# Altium PCB DCDCv1.1.PcbDoc (part 2 of 5) (continued)
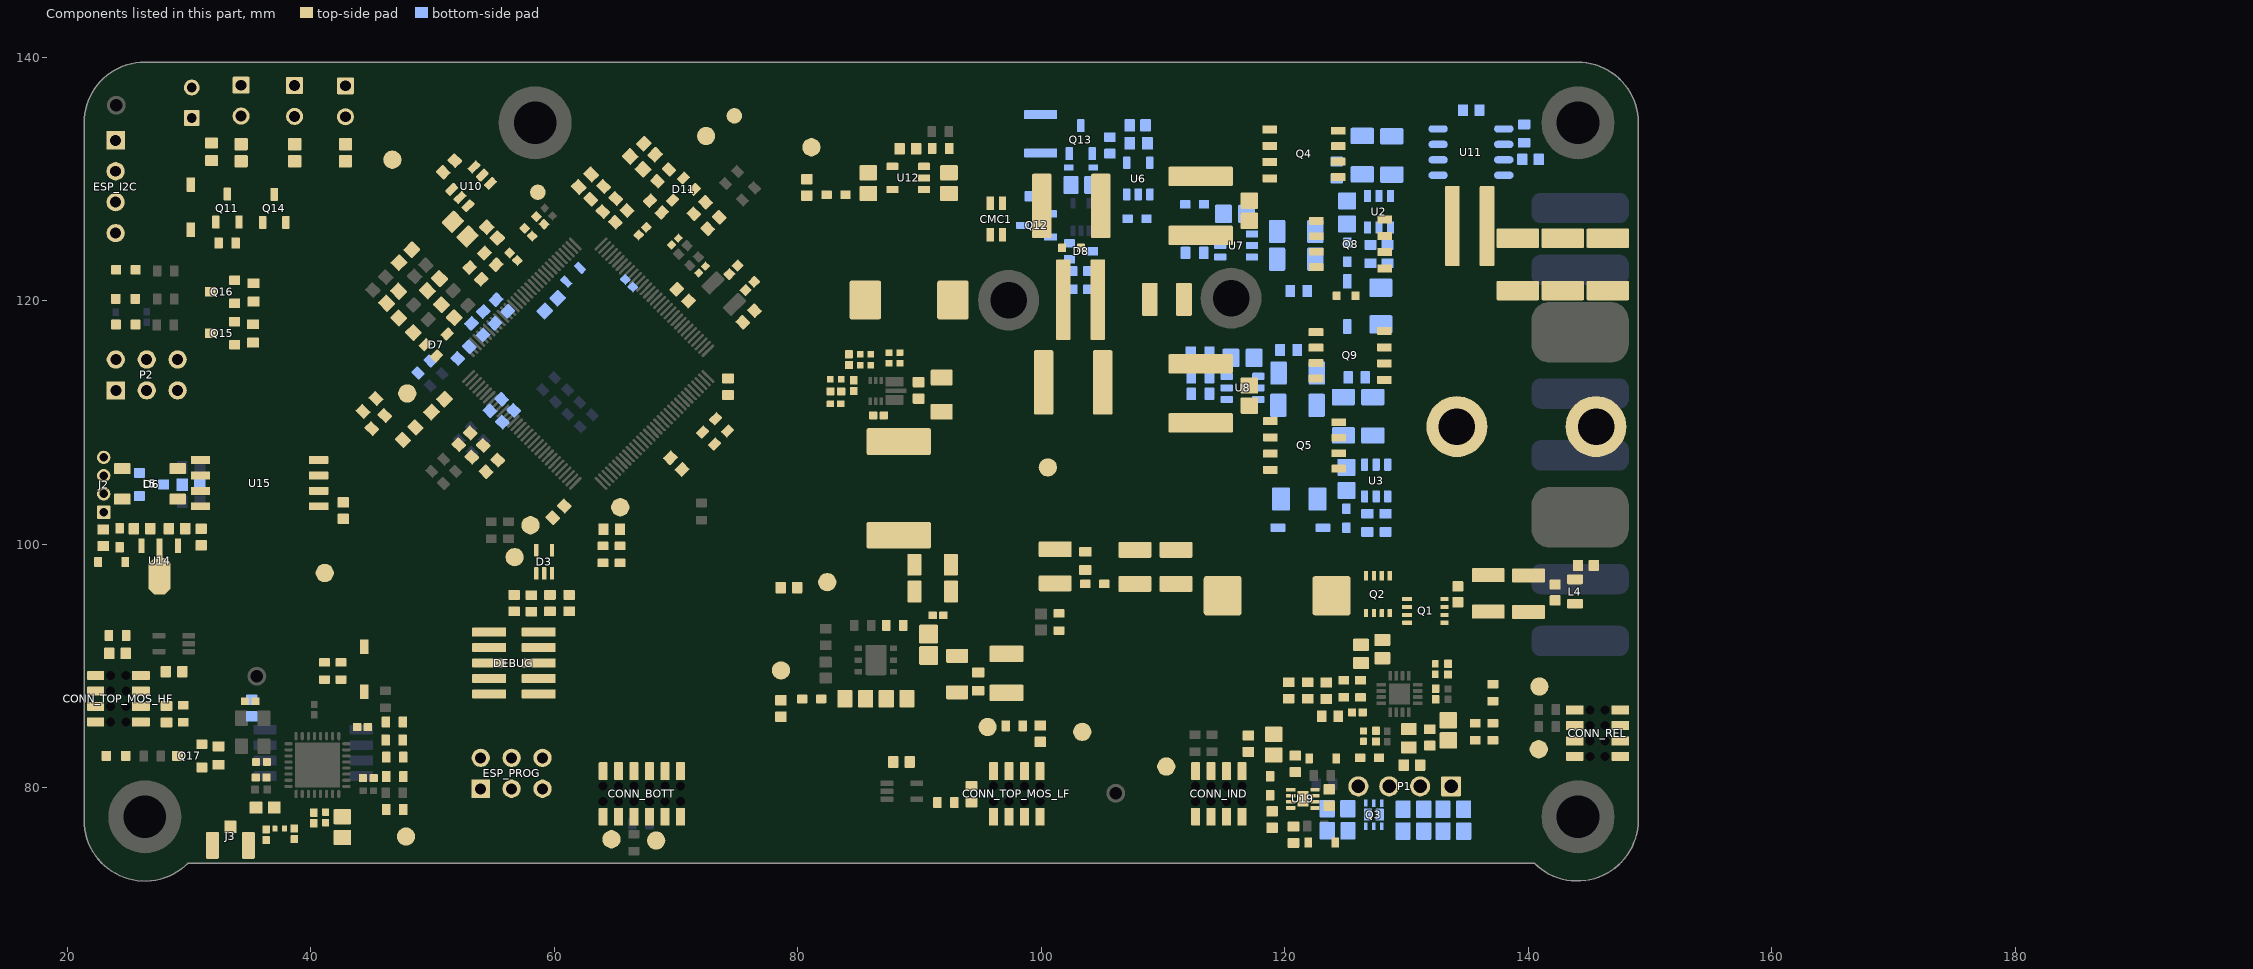
[diagram p4: the components of this part, seen from the top]
## Part data (continued)
C74 C77: library part CMP-2008-03945-1, "C0G 20pF ±5% 50V 0402 Multilayer Ceramic Capacitors MLCC - SMD/SMT ROHS", JLCPCB Part #=C1554, Manufacturer=Murata, Part Number=0402CG200J500NT
C75: library part CMP-1665-00015-4, "Aluminum Electrolytic Capacitor (Radial Lead Type), 100 uF, 35 V, -40 to 85 degC, 2-Pin THD, RoHS, Bulk", Manufacturer=Panasonic, Max Operating Temperature="85 degC", Min Operating Temperature="-40 degC", Package Quantity=200, Voltage Rating="35 V", ComponentLink1Description="Manufacturer URL", ComponentLink1URL=http://www.panasonic.com/, ComponentLink2Description=Datasheet, ComponentLink2URL=http://industrial.panasonic.com/cdbs/www-data/pdf/RDF0000/ABA0000C1047.pdf, DatasheetVersion=03/2016, Height="11.2 mm", Lead Pitch="2.5 mm", Length="11.2 mm", Mount="Through Hole", Mounting Technology="Through Hole", PackageDescription="2-Pin Through Hole Device, Dia 6.3 mm, Body Length 11.2 mm", PackageReference=Radial, Packaging=Bulk, Pins=2, REACH SVHC="No SVHC", RoHSCompliant=true
C91: library part CMP-2006-02924-1, "X7R ±10% 4.7nF 50V 0603 Multilayer Ceramic Capacitors MLCC - SMD/SMT ROHS", Case Code (Imperial)=0603, Case Code (Metric)=1608, Dielectric=X7R, Dielectric Material=Ceramic, Insulation Resistance=10GR, JLCPCB Part #=C53987, Manufacturer=Murata, Manufacturer Part Number=GRM188R71H472KA01D, Max Operating Temperature=125°C, Min Operating Temperature=-55°C, Package Quantity=1, Supplier Part Number 1=1118177, Tolerance=10%, Voltage=50V, Capacitance=4.7nF, Case/Package=0603, Category="Ceramic Capacitors", ComponentLink1Description=https://datasheet.ciiva.com/5412/product-5412608.pdf?src-supplier=Mouser, ComponentLink1URL=https://datasheet.ciiva.com/5412/product-5412608.pdf?src-supplier=Mouser, ComponentLink2Description=https://datasheet.ciiva.com/18102/getdatasheetpartid-75298-18102657.pdf?src-supplier=Verical, ComponentLink2URL=https://datasheet.ciiva.com/18102/getdatasheetpartid-75298-18102657.pdf?src-supplier=Verical, ComponentLink3Description=https://datasheet.ciiva.com/11787/0900766b8003061f-11787116.pdf?src-supplier=RSComponents, ComponentLink3URL=https://datasheet.ciiva.com/11787/0900766b8003061f-11787116.pdf?src-supplier=RSComponents, ComponentLink4Description=https://datasheet.ciiva.com/29201/451888-da-01-en-vs-kondensator-0603-29201828.pdf?src-supplier=Conrad, ComponentLink4URL=https://datasheet.ciiva.com/29201/451888-da-01-en-vs-kondensator-0603-29201828.pdf?src-supplier=Conrad, ComponentLink5Description=https://datasheet.ciiva.com/7937/4360-7937669.pdf?src-supplier=Element14, ComponentLink5URL=https://datasheet.ciiva.com/7937/4360-7937669.pdf?src-supplier=Element14, ComponentLink6Description=https://datasheet.ciiva.com/48428/nmgrm-data-en-48428597.pdf?src-supplier=Distrelec, ComponentLink6URL=https://datasheet.ciiva.com/48428/nmgrm-data-en-48428597.pdf?src-supplier=Distrelec, ComponentLink7Description=https://datasheet.ciiva.com/7937/4360-7937670.pdf?src-supplier=Element14, ComponentLink7URL=https://datasheet.ciiva.com/7937/4360-7937670.pdf?src-supplier=Element14, ComponentLink8Description=https://datasheet.ciiva.com/7937/4360-7937671.pdf?src-supplier=Element14, ComponentLink8URL=https://datasheet.ciiva.com/7937/4360-7937671.pdf?src-supplier=Element14, ComponentLink9Description=https://datasheet.ciiva.com/130/partnumbering-e-01-130733.pdf?src-supplier=Digi-Key, ComponentLink9URL=https://datasheet.ciiva.com/130/partnumbering-e-01-130733.pdf?src-supplier=Digi-Key, ComponentLink10Description=https://datasheet.ciiva.com/130/partnumbering-e-01-130734.pdf?src-supplier=Digi-Key, ComponentLink10URL=https://datasheet.ciiva.com/130/partnumbering-e-01-130734.pdf?src-supplier=Digi-Key, ComponentLink11Description=https://datasheet.ciiva.com/130/partnumbering-e-01-130735.pdf?src-supplier=Digi-Key, ComponentLink11URL=https://datasheet.ciiva.com/130/partnumbering-e-01-130735.pdf?src-supplier=Digi-Key, Depth=0.8mm, Height=0.8mm, Lead Free="Lead Free", Length=1.6mm, Material=Ceramic, Mount="Surface Mount", Number of Pins=2, Packaging="Tape and Reel", Part Number=GRM188R71H472KA01D, Pricing 1="1=19.92000, 3=19.13000 (GBP)", Radiation Hardening=No, REACH SVHC="No SVHC", RoHS=Yes, RoHS Compliant=Yes, Series=GRM, Supplier 1=Farnell, Termination=SMD/SMT, Thickness=0.035inch, Voltage Rating=50V, Voltage Rating (DC)=50V, Width=0.8mm
C112: library part CAP, "X7R ±10% 50V 10nF 0603 Multilayer Ceramic Capacitors MLCC - SMD/SMT ROHS", Case Code (Imperial)=0402, Case Code (Metric)=1005, Dielectric=X7R, JLCPCB Part #=C57112, Manufacturer="AVX Interconnect / Elco", Manufacturer Part Number=04023C103JAT2A, Max Operating Temperature=125°C, Min Operating Temperature=-55°C, Package Quantity=1, Supplier Part Number 1=478-7867-1-ND, Tolerance=5%, Voltage Rating=25V, Capacitance=10nF, Case/Package=0402, Category="Ceramic Capacitors", ComponentLink1Description=https://datasheet.ciiva.com/11499/cx7r-11499815.pdf?src-supplier=Avnet, ComponentLink1URL=https://datasheet.ciiva.com/11499/cx7r-11499815.pdf?src-supplier=Avnet, ComponentLink2Description=https://datasheet.ciiva.com/5424/cx7r-218113-5424201.pdf?src-supplier=Mouser, ComponentLink2URL=https://datasheet.ciiva.com/5424/cx7r-218113-5424201.pdf?src-supplier=Mouser, ComponentLink3Description=https://datasheet.ciiva.com/7614/cx7r-7614730.pdf?src-supplier=Digi-Key, ComponentLink3URL=https://datasheet.ciiva.com/7614/cx7r-7614730.pdf?src-supplier=Digi-Key, ComponentLink4Description=https://datasheet.ciiva.com/208/cx7r-208205.pdf?src-supplier=Digi-Key, ComponentLink4URL=https://datasheet.ciiva.com/208/cx7r-208205.pdf?src-supplier=Digi-Key, ComponentLink5Description=https://datasheet.ciiva.com/14906/cx7r-14906237.pdf?src-supplier=Digi-Key, ComponentLink5URL=https://datasheet.ciiva.com/14906/cx7r-14906237.pdf?src-supplier=Digi-Key, ComponentLink6Description=https://datasheet.ciiva.com/16397/cx7r-16397645.pdf?src-supplier=Future+Electronics, ComponentLink6URL=https://datasheet.ciiva.com/16397/cx7r-16397645.pdf?src-supplier=Future+Electronics, ComponentLink7Description=https://datasheet.ciiva.com/14906/cx7r-14906238.pdf?src-supplier=Digi-Key, ComponentLink7URL=https://datasheet.ciiva.com/14906/cx7r-14906238.pdf?src-supplier=Digi-Key, Construction=Flat, Depth=0.5mm, Lead Free="Lead Free", Length=1mm, Mount="Surface Mount", Number of Pins=2, Packaging="Tape and Reel", Part Number=04023C103JAT2A, Pricing 1="1=0.35000, 10=0.24300, 50=0.16980, 100=0.14560, 500=0.10920, 1000=0.09221, 2500=0.08735, 5000=0.08250 (USD)", Radiation Hardening=No, RoHS=Yes, RoHS Compliant=Yes, Series=-, Stock 1=9159, Supplier 1=Digi-Key, Termination=SMD/SMT, Thickness=0.022inch, Voltage Rating (DC)=25V, Width=0.5mm
C115: library part CMP-1034-00193-2, Capacitance=2.4pF, Case Code (Imperial)=0402, Case Code (Metric)=1005, Dielectric=C0G, Manufacturer=Murata, Manufacturer Part Number=GRM1555C1H2R4CA01D, Max Operating Temperature=125°C, Min Operating Temperature=-55°C, Package Quantity=10000, Supplier Part Number 1=490-5933-1-ND, Voltage Rating=50V, Case/Package=0402, Category="Ceramic Capacitors", ComponentLink1Description=https://datasheet.ciiva.com/11614/product-11614787.pdf?src-supplier=Avnet, ComponentLink1URL=https://datasheet.ciiva.com/11614/product-11614787.pdf?src-supplier=Avnet, ComponentLink2Description=https://datasheet.ciiva.com/6271/grm1555c1h2r4ca01-01-6271124.pdf?src-supplier=Digi-Key, ComponentLink2URL=https://datasheet.ciiva.com/6271/grm1555c1h2r4ca01-01-6271124.pdf?src-supplier=Digi-Key, ComponentLink3Description=https://datasheet.ciiva.com/6271/partnumbering-e-01-6271126.pdf?src-supplier=Digi-Key, ComponentLink3URL=https://datasheet.ciiva.com/6271/partnumbering-e-01-6271126.pdf?src-supplier=Digi-Key, ComponentLink4Description=https://datasheet.ciiva.com/6271/partnumbering-e-01-6271129.pdf?src-supplier=Digi-Key, ComponentLink4URL=https://datasheet.ciiva.com/6271/partnumbering-e-01-6271129.pdf?src-supplier=Digi-Key, Construction=Flat, Depth=0.5mm, Height=0.5mm, Lead Free="Lead Free", Length=1mm, Mount="Surface Mount", Packaging="Tape and Reel", Part Number=GRM1555C1H2R4CA01D, Pricing 1="1=0.10000, 10=0.03500, 50=0.01940, 100=0.01580, 500=0.01128, 1000=0.00886, 2500=0.00805, 5000=0.00741 (USD)", Radiation Hardening=No, RoHS=Yes, RoHS Compliant=Yes, Series=GRM, Stock 1=1106, Supplier 1=Digi-Key, Termination=SMD/SMT, Thickness=0.022inch, Voltage Rating (DC)=50V, Width=0.02inch
C116: library part CMP-1034-00193-2, Case Code (Imperial)=0402, Case Code (Metric)=1005, Dielectric=C0G, Manufacturer=Murata, Manufacturer Part Number=GRM1555C1H2R4CA01D, Max Operating Temperature=125°C, Min Operating Temperature=-55°C, Package Quantity=10000, Supplier Part Number 1=490-5933-1-ND, Voltage Rating=50V, Capacitance=2.4pF, Case/Package=0402, Category="Ceramic Capacitors", ComponentLink1Description=https://datasheet.ciiva.com/11614/product-11614787.pdf?src-supplier=Avnet, ComponentLink1URL=https://datasheet.ciiva.com/11614/product-11614787.pdf?src-supplier=Avnet, ComponentLink2Description=https://datasheet.ciiva.com/6271/grm1555c1h2r4ca01-01-6271124.pdf?src-supplier=Digi-Key, ComponentLink2URL=https://datasheet.ciiva.com/6271/grm1555c1h2r4ca01-01-6271124.pdf?src-supplier=Digi-Key, ComponentLink3Description=https://datasheet.ciiva.com/6271/partnumbering-e-01-6271126.pdf?src-supplier=Digi-Key, ComponentLink3URL=https://datasheet.ciiva.com/6271/partnumbering-e-01-6271126.pdf?src-supplier=Digi-Key, ComponentLink4Description=https://datasheet.ciiva.com/6271/partnumbering-e-01-6271129.pdf?src-supplier=Digi-Key, ComponentLink4URL=https://datasheet.ciiva.com/6271/partnumbering-e-01-6271129.pdf?src-supplier=Digi-Key, Construction=Flat, Depth=0.5mm, Height=0.5mm, Lead Free="Lead Free", Length=1mm, Mount="Surface Mount", Packaging="Tape and Reel", Part Number=GRM1555C1H2R4CA01D, Pricing 1="1=0.10000, 10=0.03500, 50=0.01940, 100=0.01580, 500=0.01128, 1000=0.00886, 2500=0.00805, 5000=0.00741 (USD)", Radiation Hardening=No, RoHS=Yes, RoHS Compliant=Yes, Series=GRM, Stock 1=1106, Supplier 1=Digi-Key, Termination=SMD/SMT, Thickness=0.022inch, Voltage Rating (DC)=50V, Width=0.02inch
C118 C119: library part CMP-2008-04245-1, Case Code (Imperial)=0402, Case Code (Metric)=1005, Dielectric=C0G, Manufacturer=Murata, Manufacturer Part Number=GRM1555C1H100JA01D, Max Operating Temperature=125°C, Min Operating Temperature=-55°C, Package Quantity=10000, Supplier Part Number 1=490-5921-1-ND, Temperature coefficient=30ppm/°C, Tolerance=5%, Voltage=50V, Capacitance=10pF, Case/Package=0402, Category="Ceramic Capacitors", ComponentLink1Description=https://datasheet.ciiva.com/2989/product-2989280.pdf?src-supplier=Avnet, ComponentLink1URL=https://datasheet.ciiva.com/2989/product-2989280.pdf?src-supplier=Avnet, ComponentLink2Description=https://datasheet.ciiva.com/18184/getdatasheetpartid-307234-18184164.pdf?src-supplier=Verical, ComponentLink2URL=https://datasheet.ciiva.com/18184/getdatasheetpartid-307234-18184164.pdf?src-supplier=Verical, ComponentLink3Description=https://datasheet.ciiva.com/29200/453545-da-01-en-vs-kondensator-0402-29200107.pdf?src-supplier=Conrad, ComponentLink3URL=https://datasheet.ciiva.com/29200/453545-da-01-en-vs-kondensator-0402-29200107.pdf?src-supplier=Conrad, ComponentLink4Description=https://datasheet.ciiva.com/6271/partnumbering-e-01-6271158.pdf?src-supplier=Digi-Key, ComponentLink4URL=https://datasheet.ciiva.com/6271/partnumbering-e-01-6271158.pdf?src-supplier=Digi-Key, ComponentLink5Description=https://datasheet.ciiva.com/48671/product-48671350.pdf?src-supplier=Avnet, ComponentLink5URL=https://datasheet.ciiva.com/48671/product-48671350.pdf?src-supplier=Avnet, ComponentLink6Description=https://datasheet.ciiva.com/6271/partnumbering-e-01-6271159.pdf?src-supplier=Digi-Key, ComponentLink6URL=https://datasheet.ciiva.com/6271/partnumbering-e-01-6271159.pdf?src-supplier=Digi-Key, ComponentLink7Description=https://datasheet.ciiva.com/6271/partnumbering-e-01-6271068.pdf?src-supplier=Digi-Key, ComponentLink7URL=https://datasheet.ciiva.com/6271/partnumbering-e-01-6271068.pdf?src-supplier=Digi-Key, ComponentLink8Description=https://datasheet.ciiva.com/7828/1666664-7828812.pdf?src-supplier=Element14, ComponentLink8URL=https://datasheet.ciiva.com/7828/1666664-7828812.pdf?src-supplier=Element14, Construction=Flat, Depth=0.5mm, Height=0.5mm, Lead Free="Lead Free", Length=1mm, Material=Ceramic, Mount="Surface Mount", Number of Pins=2, Packaging="Tape and Reel", Part Number=GRM1555C1H100JA01D, Pricing 1="1=0.10000, 10=0.01900, 50=0.01060, 100=0.00860, 500=0.00616, 1000=0.00484, 2500=0.00440, 5000=0.00405 (USD)", Radiation Hardening=No, REACH SVHC="No SVHC", RoHS=Yes, RoHS Compliant=Yes, Series=GRM, Stock 1=1896512, Supplier 1=Digi-Key, Termination=SMD/SMT, Thickness=0.022inch, Voltage Rating=50V, Voltage Rating (DC)=50V, Width=0.02inch
CMC1: library part CMC_2K2_100M_3216-SMD, "Common Mode Choke 2.2K Ohm 1206 SMD", Manufacturer 1="Wurth Electronics Inc", Manufacturer Part Number 1=744232222, Package / Case="Horizontal, 4 PC Pad", Ratings="2.2k Ohms at 100MHz", Supplier Part Number 1=732-1474-1-ND, ComponentLink1Description="744232222 datasheet", ComponentLink1URL=http://katalog.we-online.de/kataloge/eisos/media/pdf/744232222.pdf, Height (Max)="0.083\" (2.10mm)", Impedance="2200 Ohm at 100 MHz", PackageDescription="SMD Inductor, 4-Leads, Body 1.8 x 3.4 mm", SCDType=source, Supplier 1=Digi-Key
CONN_BOTT: "Connector", Manufacturer_Name=SAMTEC, Mouser Part Number=200-CLP10602FDBE, Arrow Part Number=CLP-106-02-F-D-BE, Arrow Price/Stock=https://www.arrow.com/en/products/clp-106-02-f-d-be/samtec, Datasheet Link=http://suddendocs.samtec.com/prints/erm8-xxx-xx.x-xxx-dv-xxxx-xx-mkt.pdf, Manufacturer_Part_Number=CLP-106-02-F-D-BE, Mouser Price/Stock=https://www.mouser.co.uk/ProductDetail/Samtec/CLP-106-02-F-D-BE?qs=0lQeLiL1qybMRsXYGL6Lww%3D%3D
CONN_IND CONN_REL CONN_TOP_MOS_HF CONN_TOP_MOS_LF: "Connector", Manufacturer_Name=SAMTEC, Mouser Part Number=200-CLP10402FDBE, Arrow Part Number=CLP-104-02-F-D-BE, Arrow Price/Stock=https://www.arrow.com/en/products/clp-104-02-f-d-be/samtec, Datasheet Link=http://suddendocs.samtec.com/prints/erm8-xxx-xx.x-xxx-dv-xxxx-xx-mkt.pdf, Manufacturer_Part_Number=CLP-104-02-F-D-BE, Mouser Price/Stock=https://www.mouser.co.uk/ProductDetail/Samtec/CLP-104-02-F-D-BE?qs=0lQeLiL1qybJIh6Z%2F3PMbA%3D%3D
D0: library part CMP-2000-07108-1, "Transient Voltage Suppressor, 1500 W, 36 V, 2-Pin SMD, RoHS, Tape and Reel", Breakdown Voltage-Max=44.2V, Breakdown Voltage-Min=40V, Clamping Voltage-Max=58.1V, Manufacturer="Fairchild Semiconductor", Package Description="2-Pin Surface Mount Device, Body 6.875 x 5.9 mm", Package Reference=DO-214AB, Power Dissipation=1500W, Datasheet URL=https://www.fairchildsemi.com/datasheets/SM/SMCJ36A.pdf, Datasheet Version="Rev. 5.7, 09/2015", Directional=Uni-Directional, Manufacturer URL=https://www.fairchildsemi.com/, Mounting Technology=SurfaceMount
D1 D2: library part CMP-0303-00003-1, "1.0 A Surface Mount Schottky Barrier Rectifier, 40 V, -65 to 125 degC, 2-Pin SOD-123 Package, RoHS, Tape and Reel", @ Terminal Temperature TT (degC)=90, Forward Voltage Drop VF (V)=0.45, JLCPCB Part #=C8598, Manufacturer="Diodes Inc", Maximum Average Rectified Current IO (A)=1, Maximum Reverse Current IR (uA)=50, Operating and Storage Temperature Range="-65 to 125 degC", Peak Forward Surge Current IFSM (A)=25, Peak Repetitive Reverse Voltage VRRM (V)=40, @ IF (A)=1, @ VR (V)=40, ComponentLink1Description="Manufacturer URL", ComponentLink1URL=http://www.diodes.com/, ComponentLink2Description=Datasheet, ComponentLink2URL=http://www.diodes.com/datasheets/ds30217.pdf, DatasheetVersion="Rev. 15-2", Mounting Technology="Surface Mount", PackageDescription="2-Pin SOD-123, Body 2.7 x 1.55 mm, Pitch 3.7 mm", PackageReference=SOD-123-2, Packing="Tape and Reel", PartNumber=1N5819HW-7-F, RoHS=TRUE, Total Capacitance CT (pF)=50, VR (RMS) (V)=28
D3: library part CMP-12225-000010-1, "TVS DIODE 3V SOT323-5", Breakdown Voltage=6.1V, Capacitance=90pF, Manufacturer=STMicroelectronics, Manufacturer Part Number=ESDA6V1W5, Max Junction Temp=+125°C, Package=SOT323-5L, Peak Pulse Power=150W, Reverse Standoff Voltage=3V, Temperature="-40°C to +125°C", Temperature Range Low=-40°C, Automotive=No, Category=Diode, ComponentLink2Description=Datasheet, ComponentLink2URL=https://www.st.com/resource/en/datasheet/esdaxxxwx.pdf, Device Class L1="Circuit Protection", Device Class L2="TVS Diodes", Device Class L3=unset, Digikey Description="TVS DIODE 3V SOT323-5", Direction=Unidirectional, Height=1.1mm, Ipc Land Pattern Name=SOT65P210X95-5, Lead Free=Yes, Mouser Description="TVS Diodes / ESD Suppressors 6.1V 150W Unidirect", Number of Channels=2, Octopart=https://octopart.com/esda6v1w5-stmicroelectronics-39557953, RoHS=TRUE, Standoff Height=0mm, Temperature Range High=+125°C
D4 D13: library part CMP-1055-00462-1, "40V 1A 600mV @ 1A SOD-323 Schottky Barrier Diodes (SBD) ROHS", JLCPCB Part #=C191023, Manufacturer="On Semiconductor", PartNumber=BAT54HT1G, ComponentLink1Description="Manufacturer URL", ComponentLink1URL=http://www.onsemi.com/, ComponentLink2Description=Datasheet, ComponentLink2URL=http://www.onsemi.cn/pub_link/Collateral/BAT54HT1-D.PDF, ComponentLink3Description="Package Specification", ComponentLink3URL=http://www.onsemi.com/pub_link/Collateral/477-02.PDF.1, Configuration=Single, DatasheetVersion="Rev. 6", IFSM Max (A)=0.6, Mounting Technology="Surface Mount", PackageDescription="2-Pin SOD, Body 1.7 x 1.25 mm", PackageReference=SOD-323-2-477-02, PackageVersion="Rev. H, 03/2007", Packing="Tape and Reel", RoHS=TRUE, trr Max (ns)=5
D6: library part CMP-12828-000016-1, "TVS DIODE 24V 41V SOT23", Breakdown Voltage=25.4V, Capacitance=25pF, Clamping Voltage=41V, Manufacturer="Diodes Inc.", Max Junction Temp=+150°C, Package=SOT23, Peak Pulse Current=5A, Peak Pulse Power=230W, Reverse Standoff Voltage=24V, Temperature="-65°C to +150°C", Temperature Range Low=-65°C, Automotive=Yes, Automotive Grade="Grade 0", Category=Diode, ComponentLink2Description=Datasheet, ComponentLink2URL=https://www.diodes.com/assets/Datasheets/DESD2CAN2SOQ.pdf, Device Class L1="Circuit Protection", Device Class L2="TVS Diodes", Device Class L3=unset, Digikey Description="TVS DIODE 24V 41V SOT23", Direction=Bidirectional, Footprint Url=https://www.diodes.com/assets/Package-Files/SOT23.pdf, Height=1.1mm, Lead Free=Yes, Manufacturer Part Number=DESD2CAN2SOQ-7, Mouser Description="ESD Suppressors / TVS Diodes Dual CAN Bus ESD 25pF 24V 25.4V", Number of Channels=2, Octopart=https://octopart.com/desd2can2soq-7-diodes+inc.-53081564, RoHS=TRUE, Standoff Height=0.013mm, Temperature Range High=+150°C
D7 D8 D11: library part CMP-1055-00560-1, "Dual Series Schottky Barrier Diodes, 3-Pin SOT-323, Tape and Reel", Manufacturer="On Semiconductor", ComponentLink1Description="Manufacturer URL", ComponentLink1URL=http://www.onsemi.com/, ComponentLink2Description=Datasheet, ComponentLink2URL=http://www.onsemi.cn/pub_link/Collateral/BAT54SWT1-D.PDF, ComponentLink3Description="Package Specification", ComponentLink3URL=http://www.onsemi.com/pub_link/Collateral/419-04.PDF, Configuration=Dual, DatasheetVersion="Rev. 10", IFSM Max (A)=0.6, Mounting Technology="Surface Mount", PackageDescription="3-Pin Small Outline Transistor, Body 2 x 1.25 mm, Pitch 0.65 mm", PackageReference=SOT-323-3-419-04, PackageVersion="Rev. N, 11/2008", Packing="Tape and Reel", PartNumber=BAT54SWT1, RoHS=FALSE, trr Max (ns)=5
D9: library part CMP-0881-00001-1, "High Conductance Fast Switching Diode, 75 V, -55 to 150 degC, 2-Pin SOD523F, RoHS", Manufacturer="Fairchild Semiconductor", Temperature Range="-55 to 150 degC", BVR (IR="5 uA)=75 V Min.", CO="4 pF Max.", ComponentLink1Description="Manufacturer URL", ComponentLink1URL=http://www.fairchildsemi.com/, ComponentLink2Description=Datasheet, ComponentLink2URL=http://www.fairchildsemi.com/ds/1N/1N4148WT.pdf, DatasheetVersion="Rev. A2", IR (VR="75 V)=5 uA Max.", Mounting Technology="Surface Mount", PackageDescription="2-Pin Surface Mount Device, Body 1.2 x 0.8 mm, Height 0.7 mm", PackageReference=SOD-523F-2, PartNumber=1N4148WT, RoHS=TRUE, VF="1 V Max."
D10: library part CMP-1061-00629-1, "Transient Voltage Suppressor Diode, for ESD Protection, 2-Pin SOD-323, Pb-Free, Tape and Reel", Manufacturer="On Semiconductor", ComponentLink1Description="Manufacturer URL", ComponentLink1URL=http://www.onsemi.com/, ComponentLink2Description=Datasheet, ComponentLink2URL=http://www.onsemi.com/pub_link/Collateral/SD05T1-D.PDF, ComponentLink3Description="Package Specification", ComponentLink3URL=http://www.onsemi.com/pub_link/Collateral/SD05T1-D.PDF, DatasheetVersion="Rev. 2", Direction=Unidirectional, IR Max (uA)=10, Mounting Technology="Surface Mount", PackageDescription="2-Pin SOD, Body 1.7 x 1.25 mm", PackageReference=SOD-323-2-477-02_G, PackageVersion="Rev. G, 02/2005", Packing="Tape and Reel", PartNumber=SD05T1G, PPK Max (W)=350, RoHS=Pb-Free
D12 D14: library part CMP-0303-00003-1, "1.0 A Surface Mount Schottky Barrier Rectifier, 40 V, -65 to 125 degC, 2-Pin SOD-123 Package, RoHS, Tape and Reel", @ Terminal Temperature TT (degC)=90, Forward Voltage Drop VF (V)=0.45, JLCPCB Part #=C8598, Manufacturer="Diodes Inc", Maximum Average Rectified Current IO (A)=1, Maximum Reverse Current IR (uA)=50, Operating and Storage Temperature Range="-65 to 125 degC", PartNumber=1N5819HW-7-F, Peak Forward Surge Current IFSM (A)=25, Peak Repetitive Reverse Voltage VRRM (V)=40, @ IF (A)=1, @ VR (V)=40, ComponentLink1Description="Manufacturer URL", ComponentLink1URL=http://www.diodes.com/, ComponentLink2Description=Datasheet, ComponentLink2URL=http://www.diodes.com/datasheets/ds30217.pdf, DatasheetVersion="Rev. 15-2", Mounting Technology="Surface Mount", PackageDescription="2-Pin SOD-123, Body 2.7 x 1.55 mm, Pitch 3.7 mm", PackageReference=SOD-123-2, Packing="Tape and Reel", RoHS=TRUE, Total Capacitance CT (pF)=50, VR (RMS) (V)=28
DC/DC: library part CMP-1426-00005-1, "SMD mono-color Chip LED, WL-SMCW, Yellow", Case Code (Imperial)=0603, Case Code (Metric)=1608, Color=Yellow, Forward Current=30mA, Forward Voltage=2V, Manufacturer="Wuerth Elektronik", Max Operating Temperature=85°C, Min Operating Temperature=-40°C, Package Quantity=4000, Supplier Part Number 1=732-4981-1-ND, Test Current=20mA, Case/Package=0603, Category=LEDs, ComponentLink1Description="Manufacturer URL", ComponentLink1URL=http://www.we-online.com, ComponentLink2Description=Datasheet, ComponentLink2URL=http://katalog.we-online.com/led/datasheet/150060YS75000.pdf, ComponentLink3Description=https://datasheet.ciiva.com/23843/150060ys75000-23843250.pdf?src-supplier=Newark, ComponentLink3URL=https://datasheet.ciiva.com/23843/150060ys75000-23843250.pdf?src-supplier=Newark, ComponentLink4Description=https://datasheet.ciiva.com/29279/759432-da-01-en-chipled-0603-w-kl-gelb-150060ys75000-29279206.pdf?src-supplier=Conrad, ComponentLink4URL=https://datasheet.ciiva.com/29279/759432-da-01-en-chipled-0603-w-kl-gelb-150060ys75000-29279206.pdf?src-supplier=Conrad, ComponentLink5Description=https://datasheet.ciiva.com/29563/150060ys75000-29563045.pdf?src-supplier=Digi-Key, ComponentLink5URL=https://datasheet.ciiva.com/29563/150060ys75000-29563045.pdf?src-supplier=Digi-Key, ComponentLink6Description=https://datasheet.ciiva.com/22656/1911348-22656951.pdf?src-supplier=Element14, ComponentLink6URL=https://datasheet.ciiva.com/22656/1911348-22656951.pdf?src-supplier=Element14, ComponentLink7Description=https://datasheet.ciiva.com/29563/150060ys75000-29563033.pdf?src-supplier=Digi-Key, ComponentLink7URL=https://datasheet.ciiva.com/29563/150060ys75000-29563033.pdf?src-supplier=Digi-Key, ComponentLink8Description=https://datasheet.ciiva.com/48430/150060ys75000-eng-tds-48430044.pdf?src-supplier=Distrelec, ComponentLink8URL=https://datasheet.ciiva.com/48430/150060ys75000-eng-tds-48430044.pdf?src-supplier=Distrelec, Dominant Wavelength=590nm, Height=0.7mm, Length=1.6mm, Lens Style=Clear,Rectangular, Luminous Intensity=120mcd, Manufacturer Part Number=150060YS75000, Mount="Surface Mount", PackageReference=0603_A, Packaging="Tape and Reel", PartNumber=150060YS75000, Pricing 1="1=0.14000, 50=0.13300, 100=0.11400, 500=0.09900 (USD)", REACH SVHC=Unknown, RoHS=Yes, Stock 1=139, Supplier 1=Digi-Key, Viewing Angle=140°, Wavelength=590nm, Width=0.8mm
DEBUG: library part CMP-2000-05352-1, "Male Header, Pitch 1.27 mm, 2 x 5 Position, Height 6.12 mm, RoHS, Tube", Color=Black, Manufacturer=Samtec, Package Description="Male Header, Pitch 1.27 mm, 2 x 5 Position, Height 5.97 mm, Tail Length 4.32 mm", Package Reference=FTSH-105-01-L-DV-K, Category=Connectors,Interconnects, Connector Type=Header,Shrouded, Contact Finish=Gold, Contact Finish Thickness=3µin(0.08µm), Contact Mating Length="0.120\"(3.05mm)", Contact Type=MalePin, Datasheet URL=http://suddendocs.samtec.com/prints/ftsh-1xx-xx-xxx-dv-xxx-mkt.pdf, Datasheet Version="Rev. ET, 10/1995", Family=RectangularConnectors-Headers,MalePins, Fastening Type=-, Features=-, Manufacturer URL=http://www.samtec.com/, Mounting Type=SurfaceMount, Number of Positions=10, Number of Positions Loaded=All, Number of Rows=2, Package URL=http://suddendocs.samtec.com/prints/ftsh-1xx-xx-xxx-dv-xxx-footprint.pdf, Packaging=Tube, Pitch="0.050\"(1.27mm)", Row Spacing="0.050\"(1.27mm)", Series=FTSH, Termination=Solder
ESP_I2C: "Header, 4-Pin", LatestRevisionDate=17-Jul-2002, LatestRevisionNote="Re-released for DXP Platform.", Publisher="Altium Limited"
ESP_PROG P2: "Header, 3-Pin, Dual row", LatestRevisionDate=17-Jul-2002, LatestRevisionNote="Re-released for DXP Platform.", Publisher="Altium Limited"
FB1 FB2 FB3 FB4 FB5 FB8 FB16 FB17 FB18 FB19: library part CMP-0220-00115-1, "SMD EMI Suppression Ferrite Bead WE-CBF, Z = 1500 Ohm", ComponentLink1Description="Manufacturer Link", ComponentLink1URL=http://www.we-online.com, ComponentLink2Description=Datasheet, ComponentLink2URL=http://www.we-online.de/katalog/media/pdf/742792691.pdf, DatasheetVersion=Dec-2005, Impedance="1500 Ohm", PackageDescription="Chip Inductor, 2-Leads, Body 1.6 x 0.8 mm", PackageReference=SMD-0603, PackageVersion=2009
FB6: library part CMP-08257-000163-1, "Signal Line Ferrite Bead 600Ω @ 100Mhz 500mA DCR 200mΩ SMD 0805", Case Code (Imperial)=0805, Case Code (Metric)=2012, Current Rating=500mA, DC Resistance (DCR)=200mR, Package Quantity=1, Tolerance=25%, Case/Package=0805, Core Material=Ferrite, Depth=1.25mm, Height=0.041inch, Impedance=600R, Length=0.079inch, Max DC Current=500mA, Mount="Surface Mount", Number of Pins=2, Packaging="Cut Tape", REACH SVHC="No SVHC", RoHS Compliant=Yes, Series=MMZ, Width=0.049inch
FB7: library part CMP-0686-00187-4, "Chip Ferrite Bead, 0402, 600Ω @ 100MHz, 0.52Ω, 25%, 300mA", Case Code (Imperial)=0402, Case Code (Metric)=1005, Current Rating=300mA, DC Resistance (DCR)=520mR, DC Resistance-Max=600mR, Frequency=100MHz, Max Operating Temperature=125°C, Min Operating Temperature=-55°C, Package Quantity=10000, Tolerance=25%, Case/Package=0402, Core Material=Ferrite, DC Current=300mA, Depth=0.55mm, Height=0.5mm, Impedance=600R, Lead Free="Lead Free", Length=1mm, Material=Steel, Max Current Rating=300mA, Max DC Current=300mA, Military Standard=Not, Number Of Circuits=1, Number of Lines=1, Number of Pins=2, Packaging="Tape and Reel", Radiation Hardening=No, REACH SVHC="No SVHC", RoHS Compliant=Yes, Series=BLM15AG_SN, Shielding=Unshielded, Termination=SMD/SMT, Test Frequency=100MHz, Width=0.5mm
FB9: library part PAS-IND-INDUCTOR-2, "SMD EMI Suppression Ferrite Bead WE-CBF, Z = 1500 Ohm", ComponentLink1Description="Manufacturer Link", ComponentLink1URL=http://www.we-online.com, ComponentLink2Description=Datasheet, ComponentLink2URL=http://www.we-online.de/katalog/media/pdf/742792691.pdf, DatasheetVersion=Dec-2005, Impedance="1500 Ohm", PackageDescription="Chip Inductor, 2-Leads, Body 1.6 x 0.8 mm", PackageReference=SMD-0603, PackageVersion=2009
J2: "Connector", Arrow Part Number=B4B-ZR(LF)(SN), Manufacturer_Name="JST (JAPAN SOLDERLESS TERMINALS)", Arrow Price/Stock=https://www.arrow.com/en/products/b4b-zr-lf-sn/jst-manufacturing, Datasheet Link=http://docs-emea.rs-online.com/webdocs/1147/0900766b81147f94.pdf, Height=4.5mm, Manufacturer_Part_Number=B4B-ZR(LF)(SN)
J3: library part CMP-2000-05152-3, "CONN U.FL RCPT STR 50 OHM SMD", Dielectric Material=Polymer, Frequency=6GHz, Housing Color=Beige, Insulation Resistance=500MR, Max Operating Temperature=90°C, Min Operating Temperature=-40°C, Package Quantity=2500, Body Material=Bronze, Body Plating=Silver, Connector Type=Coaxial, Contact Material=Brass, Contact Plating=Gold, Depth=3.1mm, Fastening Type=Snap, Gender=Male, Impedance=50R, Lead Free="Lead Free", Length=3mm, Max Frequency=6GHz, Mount="Surface Mount", Orientation=Straight, Packaging="Cut Tape", Radiation Hardening=No, REACH SVHC="No SVHC", Series=U.FL, Termination=Solder, Weight=0.001764oz, Wire/Cable Type=Coaxial
L1: library part INDC_150n_1008, "Inductor SMD chip 150nH 1008", Manufacturer 1="TDK Corporation", Manufacturer Part Number 1=NLV25T-R15J-PF, Package / Case="1008 (2520 Metric)", Ratings="500 mA", Supplier Part Number 1=445-1715-1-ND, Tolerance=±5%, SCDType=spec, Supplier 1=Digi-Key
L2: library part CMP-2000-06447-1, "Low Profile, High Current IHLP(R) Inductor, 100 uH, +/- 20%, 2.5 A, -55 to 125 degC, 2-Pin SMD, RoHS, Tape and Reel", Case/Package=4040, Current=1.3A, Current Rating=2.5A, DC Resistance (DCR)=270mR, Inductance Tolerance=20%, Manufacturer=Vishay, Manufacturer Part Number=IHLP4040DZER101M11, Max DC Current=2.25A, Max Operating Temperature=125°C, Maximum DC Resistance=270mOhms, Min Operating Temperature=-55°C, Operating Temperature Range=-55Cto+125C, Package Description="2-Pin Surface Mount Device, Body 10.3 x 10.3 mm", Package Quantity=1, Self Resonant Frequency=1MHz, Test Frequency=100kHz, Brand=Vishay/Dale, Category="Fixed Inductors", ComponentLink1Description=https://datasheet.ciiva.com/11798/0900766b8102c938-11798178.pdf?src-supplier=RSComponents, ComponentLink1URL=https://datasheet.ciiva.com/11798/0900766b8102c938-11798178.pdf?src-supplier=RSComponents, ComponentLink2Description=https://datasheet.ciiva.com/8494/lp40dz11-8494200.pdf?src-supplier=Avnet, ComponentLink2URL=https://datasheet.ciiva.com/8494/lp40dz11-8494200.pdf?src-supplier=Avnet, ComponentLink3Description=https://datasheet.ciiva.com/8017/27487-8017341.pdf?src-supplier=Element14, ComponentLink3URL=https://datasheet.ciiva.com/8017/27487-8017341.pdf?src-supplier=Element14, ComponentLink4Description=https://datasheet.ciiva.com/8017/27487-8017342.pdf?src-supplier=Element14, ComponentLink4URL=https://datasheet.ciiva.com/8017/27487-8017342.pdf?src-supplier=Element14, Contact Plating=Tin, Core Material=Ferrite,Metal,Composite, Datasheet URL=http://www.vishay.com/docs/34192/lp40dz11.pdf, Datasheet Version=08/2015, Depth=10.3mm, Factory Pack Quantity=500, Height=4mm, Height - Seated (Max)=0.157inch, Inductance=100uH, Lead Free="Lead Free", Length=10.3mm, Manufacturer URL=http://www.vishay.com/, Maximum DC Current=2.25A, Military Standard=Not, Mount="Surface Mount,Through Hole", Mounting Style=SMD/SMT, Mounting Technology=SurfaceMount, Number of Pins=2, Package / Case=4040, Package Reference=IHLP4040DZER101M11, Packaging=Reel, Pricing 1="500=0.59680, 1000=0.58220, 2000=0.57400, 3000=0.54128, 4000=0.52934, 5000=0.51740, 50000=0.48006 (USD)", Product=PowerInductors, Product Category=FixedInductors, Qualification=AEC-Q200, Radiation Hardening=No, REACH SVHC=Unknown, RMS Current (Irms)=2.5A, RoHS=True, Saturation Current=2.25A, Series=IHLP-4040DZ-11, Shielding=Shielded, Stock 1=10000, Supplier 1=Avnet, Supplier Part Number 1=IHLP4040DZER101M11, Termination=SMD/SMT, Termination Style=SMD/SMT, Tolerance=20%, Tradename=IHLP, Type=LowProfileHighCurrentIHLPInductor, Unit Weight=0.070548oz, Weight=0.070548oz, Width=10.3mm
L3: library part MPX1D0840L470, "Inductor 22uH", Manufacturer_Name=Kemet, Manufacturer_Part_Number=MPX1D0840L220, Mouser Part Number=80-MPX1D0840L220, Datasheet Link=https://componentsearchengine.com/Datasheets/1/MPX1D0840L470.pdf, Height=4mm, Mouser Price/Stock=https://www.mouser.com/Search/Refine.aspx?Keyword=80-MPX1D0840L470
L4: library part PAS-IND-INDUCTOR-2, "SMD EMI Suppression Ferrite Bead WE-CBF, Z = 300 Ohm", Case Code (Imperial)=0603, Case Code (Metric)=1608, Case/Package=SMD/SMT, Current Rating=2A, DC Resistance (DCR)=150mR, Inductance=18nH, Manufacturer="Wurth Electronics", Max Operating Temperature=125°C, Min Operating Temperature=-55°C, Package Quantity=1, Supplier Part Number 1=732-1592-1-ND, Test Frequency=100MHz, Tolerance=25%, Category="Ferrite Beads and Chips", ComponentLink1Description="Manufacturer Link", ComponentLink1URL=http://www.we-online.com, ComponentLink2Description=Datasheet, ComponentLink2URL=http://www.we-online.de/katalog/media/pdf/742792641.pdf, ComponentLink3Description=https://datasheet.ciiva.com/1013/742792641-1013888.pdf?src-supplier=Digi-Key, ComponentLink3URL=https://datasheet.ciiva.com/1013/742792641-1013888.pdf?src-supplier=Digi-Key, ComponentLink4Description=https://datasheet.ciiva.com/4940/742792641-72209-4940450.pdf?src-supplier=Mouser, ComponentLink4URL=https://datasheet.ciiva.com/4940/742792641-72209-4940450.pdf?src-supplier=Mouser, ComponentLink5Description=https://datasheet.ciiva.com/1466/1705830-1466501.pdf?src-supplier=Element14, ComponentLink5URL=https://datasheet.ciiva.com/1466/1705830-1466501.pdf?src-supplier=Element14, ComponentLink6Description=https://datasheet.ciiva.com/11800/0900766b80d2e072-11800409.pdf?src-supplier=RSComponents, ComponentLink6URL=https://datasheet.ciiva.com/11800/0900766b80d2e072-11800409.pdf?src-supplier=RSComponents, ComponentLink7Description=https://datasheet.ciiva.com/1013/742792641-1013889.pdf?src-supplier=Digi-Key, ComponentLink7URL=https://datasheet.ciiva.com/1013/742792641-1013889.pdf?src-supplier=Digi-Key, ComponentLink8Description=https://datasheet.ciiva.com/1466/1705830-1466502.pdf?src-supplier=Element14, ComponentLink8URL=https://datasheet.ciiva.com/1466/1705830-1466502.pdf?src-supplier=Element14, Core Material=Ferrite, DatasheetVersion=Dec-2005, Depth=0.8mm, Height=0.8mm, Impedance="300 Ohm", Lead Free="Lead Free", Length=1.6mm, Manufacturer Part Number=742792641, Material=Ferrite, Max Current Rating=2A, Max DC Current=2A, Mount="Surface Mount", Number of Lines=1, PackageDescription="Chip Inductor, 2-Leads, Body 1.6 x 0.8 mm", PackageReference=SMD-0603, PackageVersion=2009, Packaging="Tape and Reel", Pricing 1="1=0.17000, 50=0.16800, 100=0.15500, 500=0.14800, 1000=0.14100, 2000=0.13400 (USD)", REACH SVHC=Unknown, RoHS=Yes, RoHS Compliant=Yes, Series=WE-CBF, Stock 1=74138, Supplier 1=Digi-Key, Termination=SMD/SMT, Weight=0.000141oz, Width=0.8mm
L5: "Inductor", Manufacturer_Name=Pulse, Mouser Part Number=673-PE-1812ACC510STS, Arrow Part Number=PE-1812ACC510STS, Arrow Price/Stock=https://www.arrow.com/en/products/pe-1812acc510sts/pulse-electronics-corporation, Datasheet Link=https://productfinder.pulseeng.com/doc_type/WEB301/doc_num/W717/doc_part/W717.pdf, Height=3mm, Manufacturer_Part_Number=PE-1812ACC510STS, Mouser Price/Stock=https://www.mouser.co.uk/ProductDetail/Pulse-Electronics/PE-1812ACC510STS?qs=ar8LaIfZsbGrh9tcPYNGNA%3D%3D
L7: library part CMP-06042-005362-1, "Multilayer type RF Inductor 1.6nH ±0.1nH 0.08Ω 1000mA 0402. LQP15MN1N6B02", Case Code (Imperial)=0402, Case Code (Metric)=1005, Current=300mA, DC Resistance (DCR)=100mR, Inductance=1.6nH, Manufacturer=Murata, Manufacturer Part Number=LQP15MN1N6B02D, Max Operating Temperature=125°C, Min Operating Temperature=-55°C, Package Quantity=10000, Resistor Type="Thin Film", Self Resonant Frequency=6GHz, Supplier Part Number 1=490-6749-1-ND, Test Frequency=100MHz, Case/Package=0402, Category="Fixed Inductors", ComponentLink1Description=https://datasheet.ciiva.com/30490/0900766b81256025-30490361.pdf?src-supplier=RSComponents, ComponentLink1URL=https://datasheet.ciiva.com/30490/0900766b81256025-30490361.pdf?src-supplier=RSComponents, ComponentLink2Description=https://datasheet.ciiva.com/6705/l0075s0084lqp15m-6705206.pdf?src-supplier=Digi-Key, ComponentLink2URL=https://datasheet.ciiva.com/6705/l0075s0084lqp15m-6705206.pdf?src-supplier=Digi-Key, ComponentLink3Description=https://datasheet.ciiva.com/4978/product-4978215.pdf?src-supplier=Mouser, ComponentLink3URL=https://datasheet.ciiva.com/4978/product-4978215.pdf?src-supplier=Mouser, ComponentLink4Description=https://datasheet.ciiva.com/6705/l0075s0084lqp15m-6705209.pdf?src-supplier=Digi-Key, ComponentLink4URL=https://datasheet.ciiva.com/6705/l0075s0084lqp15m-6705209.pdf?src-supplier=Digi-Key, Core Material=Air, Current Rating=300mA, DC Current=300mA, Depth=0.55mm, Height=0.5mm, Height - Seated (Max)=0.022inch, Lead Free="Lead Free", Length=1mm, Max DC Current=300mA, Military Standard=Not, Mount="Surface Mount", Number of Pins=2, Packaging="Tape and Reel", Pricing 1="1=0.18000, 10=0.15800, 25=0.14040, 50=0.11920, 100=0.10520, 250=0.09644, 500=0.08768, 1000=0.07365, 2500=0.06313 (USD)", Q Factor=8, Radiation Hardening=No, REACH SVHC="No SVHC", RoHS=Yes, RoHS Compliant=Yes, Series=LQP15M, Shielding=Unshielded, Stock 1=8246, Supplier 1=Digi-Key, Technology="THIN FILM", Termination=SMD/SMT, Width=0.02inch
NTC1 NTC2: library part CMP-06022-000443-2, "THERMISTOR NTC", Case Code (Imperial)=0603, Case Code (Metric)=1608, Max Operating Temperature=125°C, Min Operating Temperature=-40°C, Case/Package=0603, REACH SVHC="No SVHC", RoHS Compliant=Yes
NTC3 NTC4 NTC5: library part CMP-2000-07492-1, "Male Header, Pitch 2.54 mm, 1 x 2 Position, Height 8.21 mm, Tail Length 3.05 mm, -65 to 105 degC, RoHS, Bulk", Case\/Package=100, Colour=Black, Current Rating=3A, Flammability Rating=UL94V-0, High Temperature Housing=Yes, Manufacturer="TE Connectivity", Max Current Rating=5A, Max Operating Temperature=105degC, Min Operating Temperature=-65degC, Package Description="Male Header, Pitch 2.54 mm, 1 x 2 Position, Height 8.21 mm, Tail Length 3.05 mm", Package Quantity=500, Approvals=CSA, Board Standoff=No(Without), Connector Type=Header, Contact Gender=Male, Contact Material=CopperAlloy, Contact Mating Length=0.23inch, Contact Plating=Matte, Contact Protection=No(Without), Contact Shape=Square, Datasheet URL=http://www.te.com/commerce/DocumentDelivery/DDEController?Action=showdoc&DocId=Customer+Drawing%7F146280%7FH1%7Fpdf%7FEnglish%7FENG_CD_146280_H1.pdf%7F5-146280-2, Datasheet Version="Rev. H1, 08/2016", Depth=2.34mm, Gasket=No(Without), High Speed Serial Data Connector=No, Housing Colour=Black, Housing Material=Polymer, Keyed=No, Length=4.67mm, Manufacturer URL=http://www.te.com/, Mating Alignment=No(Without), Mating Connector Lock=No(Without), Mating Post Length=0.23inch, Mount=ThroughHole, Mounting Technology=ThroughHole, Number of Contacts=2, Number of Positions=2, Number of Rows=1, Orientation=Straight, Package Reference=5-146280-2, Packaging=Carton, Panel Mount Retention=No(Without), PCB Mount Retention=Without, PCB Mounting Orientation=Vertical, PCB Thickness=0.063inch, Pitch=2.54mm, Radiation Hardening=No, RoHSCompliant=true, Row Spacing=2.54mm, Selectively Loaded=No(Without), Stabilizers=No(Without), Termination=ThroughHole, Termination Post Length=0.12inch
P1: library part WE-CN-1P-M-R4, "THT Angled Pin Header WR-PHD, Pitch 2.54 mm, Single Row, 4 pins", Contact Resistance=20mOhm, Manufacturer="Wurth Elektronik", Operating Temperature=-40to105degC, Rated Current=3A, Withstanding Voltage=500VAC, Working Voltage=250VAC, Datasheet URL=https://katalog.we-online.de/em/datasheet/6130xx11021.pdf, Gender=Male, Manufacturer URL=http://www.we-online.de, Mounting Technology=THT, Orientation=Angled, Package Reference=61300411021, Packaging=Bag, Part Number=61300411021, Pin Number=4, Pitch=2.54mm, Publisher=WurthElektronik, Row Number=Single